# KiCad board reform2-motherboard.kicad_pcb (continued)
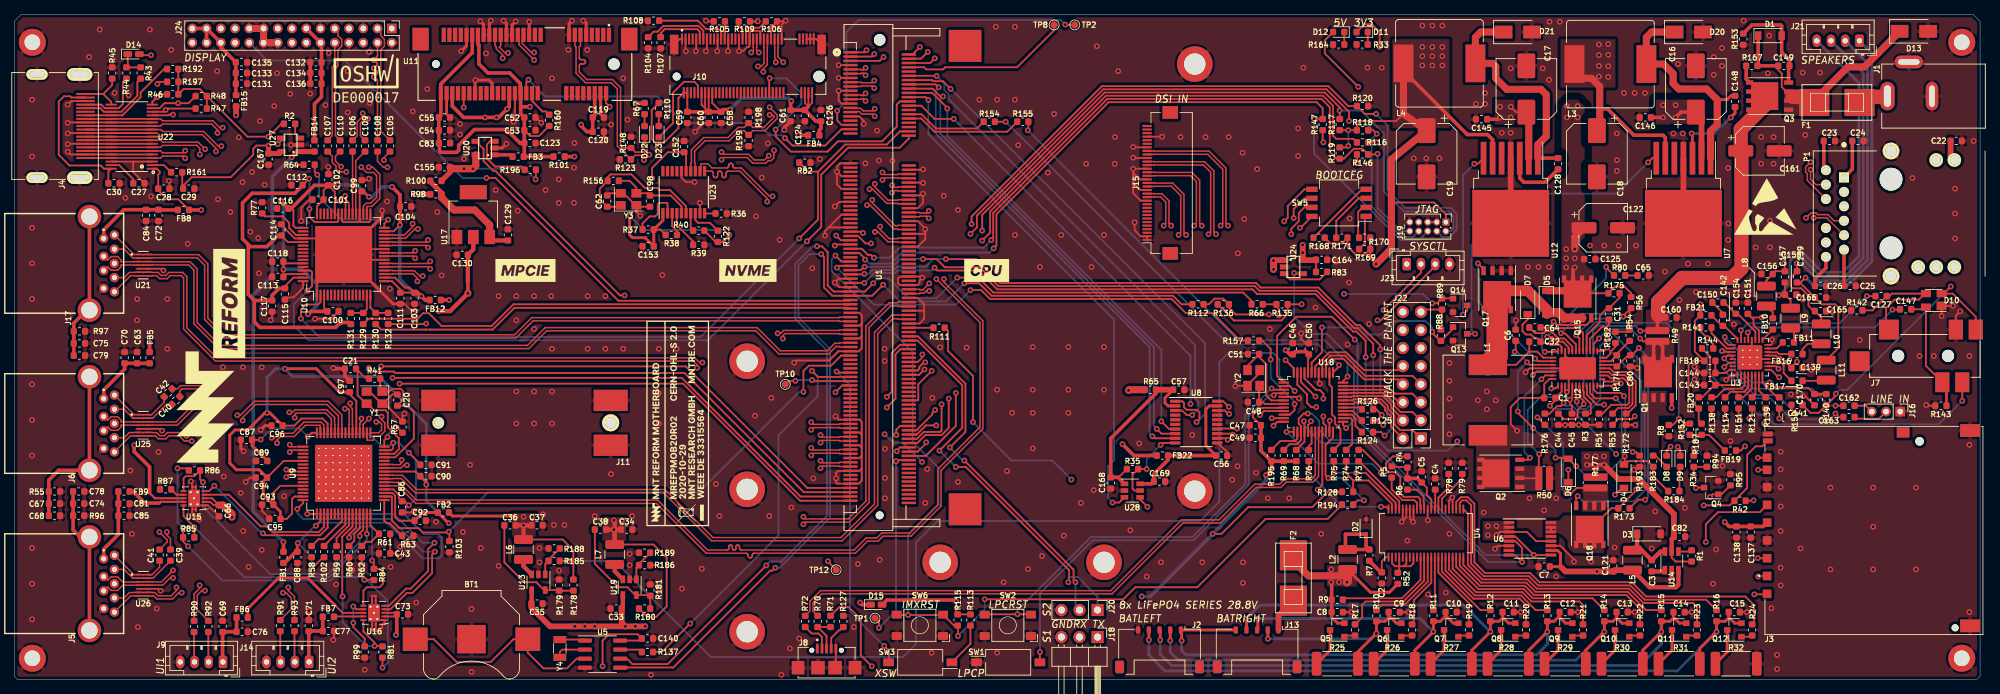
[diagram p0: board, top side]
## Routing (per net, layer and track width the routed paths; a pad name or vN(x,y) marks a point on that pad's centre or on a via; arc(x,y) is an arc through that point) (continued)
EDP_AUX_DN: length 14.1
  Top w0.2: C107.1 44.65,76.44 44.65,86.07 45,86.42 J24.10
EDP_AUX_DP: length 16.7
  Top w0.2: J24.9 45.45,91.05 45.45,90.49 45.98,89.97 45.98,89.03 45.45,88.51 45.45,86.23 45.1,85.88 45.1,76.44 C110.1
EDP_IRQ: length 113.6
  Top w0.25: v1(111.3,61.6) 113.3,63.6 113.3,70.96 117.09,74.75 124.32,74.75 125.6,76.03 U1.40 ; v1(41.15,54.65) 41.8,55.29 41.8,57.25 41.55,57.5 U10.61
  Bottom w0.25: v1(41.15,54.65) 39.25,52.74 39.25,49.75 41.3,47.7 97.4,47.7 v1(111.3,61.6)
EDP_RESETn: length 110.9
  Top w0.25: 112.85,71.39 116.66,75.2 122.5,75.2 124.35,77.05 U1.38 ; 112.85,71.39 112.85,64.65 v1(110.2,62) ; 112.85,71.39 111.47,71.39 R82.1 ; U10.2 43,53.05 42.68,52.73 40.98,52.73 40.25,52 v1(40.25,50.75)
  Bottom w0.25: v1(40.25,50.75) 42.85,48.15 96.35,48.15 v1(110.2,62)
EDP_SCL: length 71
  Top w0.25: R129.2 49.76,50.73 56.63,50.73 57.4,51.5 58.2,51.5 60,49.7 67.03,49.7 70.08,52.75 U1.107
EDP_SDA: length 68.3
  Top w0.25: R130.2 51.51,49.2 67.17,49.2 70.22,52.25 117.3,52.25 U1.109
EDP_TX0_DN: length 18.1
  Top w0.2: v1(48.93,79.57) 48.93,79.15 48.15,78.37 48.15,76.44 C106.1
  Signal.Cu w0.2: 48.92,79.58 v1(48.93,79.57) 48.42,80.08 48.42,81.88 48.43,81.92 48.44,81.96 48.47,82 48.5,82.03 48.54,82.06 48.58,82.07 48.62,82.08 48.91,82.08 49.05,82.09 49.18,82.14 49.29,82.21 49.39,82.31 49.46,82.42 49.51,82.55 49.52,82.69 49.52,82.76 49.51,82.9 49.46,83.03 49.39,83.14 49.29,83.24 49.18,83.31 49.05,83.36 48.91,83.37 47.53,83.37 47.48,83.38 47.44,83.39 47.4,83.42 47.37,83.45 47.35,83.49 47.33,83.53 47.33,83.57 47.33,83.62 47.35,83.66 47.37,83.7 47.4,83.73 47.44,83.76 47.48,83.77 47.53,83.77 47.81,83.77 47.95,83.79 48.08,83.84 48.19,83.91 48.29,84.01 48.36,84.12 48.41,84.25 48.42,84.39 48.42,88.92 J24.6
EDP_TX0_DP: length 22
  Top w0.2: C109.1 48.6,76.44 48.6,78.18 49.25,78.83 v1(49.67,78.83)
  Signal.Cu w0.2: J24.7 47,90.48 47.47,90.48 47.98,89.97 47.98,84.42 47.97,84.38 47.96,84.34 47.93,84.3 47.9,84.27 47.86,84.24 47.82,84.23 47.78,84.22 47.49,84.22 47.35,84.21 47.22,84.16 47.11,84.09 47.01,83.99 46.94,83.88 46.89,83.75 46.88,83.61 46.88,83.54 46.89,83.4 46.94,83.27 47.01,83.16 47.11,83.06 47.22,82.99 47.35,82.94 47.49,82.92 48.87,82.92 48.92,82.92 48.96,82.91 49,82.88 49.03,82.85 49.05,82.81 49.07,82.77 49.07,82.72 49.07,82.68 49.05,82.64 49.03,82.6 49,82.57 48.96,82.54 48.92,82.53 48.87,82.52 48.59,82.52 48.45,82.51 48.32,82.46 48.21,82.39 48.11,82.29 48.04,82.18 47.99,82.05 47.98,81.91 47.98,79.49 48.59,78.87 48.99,78.87 49.03,78.83 v1(49.67,78.83)
EDP_TX1_DN: length 16.9
  Top w0.2: J24.3 51.45,91.05 51.45,90.49 51.98,89.97 51.98,89.03 51.45,88.51 51.45,77.09 C105.1
EDP_TX1_DP: length 17
  Top w0.2: C108.1 51,84.1 50.99,84.17 50.97,84.23 50.93,84.29 50.89,84.33 50.83,84.37 50.77,84.39 50.7,84.4 50.49,84.4 50.43,84.41 50.36,84.43 50.31,84.47 50.26,84.51 50.22,84.57 50.2,84.63 50.19,84.7 50.2,84.77 50.22,84.83 50.26,84.89 50.31,84.93 50.36,84.97 50.43,84.99 50.49,85 50.7,85 50.77,85.01 50.83,85.03 50.89,85.07 50.93,85.11 50.97,85.17 50.99,85.23 51,85.3 50.99,85.37 50.97,85.43 50.93,85.49 50.89,85.53 50.83,85.57 50.77,85.59 50.7,85.6 50.49,85.6 50.43,85.61 50.36,85.63 50.31,85.67 50.26,85.71 50.22,85.77 50.2,85.83 50.19,85.9 50.2,85.97 50.22,86.03 50.26,86.09 50.31,86.13 50.36,86.17 50.43,86.19 50.49,86.2 50.7,86.2 50.77,86.21 50.83,86.23 50.89,86.27 50.93,86.31 50.97,86.37 50.99,86.43 51,86.5 50.99,86.57 50.97,86.63 50.93,86.69 50.89,86.73 50.83,86.77 50.77,86.79 50.7,86.8 50.49,86.8 50.43,86.81 50.36,86.83 50.31,86.87 50.26,86.91 50.22,86.97 50.2,87.03 50.19,87.1 50.2,87.17 50.22,87.23 50.26,87.29 50.31,87.33 50.36,87.37 50.43,87.39 50.49,87.4 50.7,87.4 50.77,87.41 50.83,87.43 50.89,87.47 50.93,87.51 50.97,87.57 50.99,87.63 51,87.7 J24.4
ETH0_A+: length 155
  Top w0.2: U1.29 118.22,79.75 118.3,79.83 118.66,79.83 119.01,79.47 120.5,79.47 v1(120.8,79.17)
  Signal.Cu w0.2: v1(120.8,79.17) 121.1,79.47 121.61,79.47 135.21,65.88 136.78,65.88 136.83,65.87 136.87,65.85 136.92,65.83 136.95,65.79 136.98,65.75 136.99,65.7 137,65.65 137,65.29 137.02,65.15 137.06,65.02 137.14,64.9 137.24,64.8 137.36,64.72 137.49,64.67 137.64,64.66 137.71,64.66 137.86,64.67 137.99,64.72 138.11,64.8 138.21,64.9 138.29,65.02 138.33,65.15 138.35,65.29 138.35,65.65 138.36,65.7 138.37,65.75 138.4,65.79 138.43,65.83 138.48,65.85 138.52,65.87 138.57,65.88 138.63,65.87 138.67,65.85 138.72,65.83 138.75,65.79 138.78,65.75 138.79,65.7 138.8,65.65 138.8,65.29 138.82,65.15 138.86,65.02 138.94,64.9 139.04,64.8 139.16,64.72 139.29,64.67 139.44,64.66 139.51,64.66 139.66,64.67 139.79,64.72 139.91,64.8 140.01,64.9 140.09,65.02 140.13,65.15 140.15,65.29 140.15,65.65 140.16,65.7 140.17,65.75 140.2,65.79 140.23,65.83 140.28,65.85 140.32,65.87 140.38,65.88 140.43,65.87 140.47,65.85 140.52,65.83 140.55,65.79 140.58,65.75 140.59,65.7 140.6,65.65 140.6,65.29 140.62,65.15 140.66,65.02 140.74,64.9 140.84,64.8 140.96,64.72 141.09,64.67 141.24,64.66 141.31,64.66 141.46,64.67 141.59,64.72 141.71,64.8 141.81,64.9 141.89,65.02 141.93,65.15 141.95,65.29 141.95,65.65 141.96,65.7 141.97,65.75 142,65.79 142.03,65.83 142.08,65.85 142.12,65.87 142.18,65.88 142.23,65.87 142.27,65.85 142.32,65.83 142.35,65.79 142.38,65.75 142.39,65.7 142.4,65.65 142.4,65.29 142.42,65.15 142.46,65.02 142.54,64.9 142.64,64.8 142.76,64.72 142.89,64.67 143.04,64.66 143.11,64.66 143.26,64.67 143.39,64.72 143.51,64.8 143.61,64.9 143.69,65.02 143.73,65.15 143.75,65.29 143.75,65.65 143.76,65.7 143.77,65.75 143.8,65.79 143.83,65.83 143.88,65.85 143.92,65.87 143.97,65.88 144.03,65.87 144.07,65.85 144.12,65.83 144.15,65.79 144.18,65.75 144.19,65.7 144.2,65.65 144.2,65.29 144.22,65.15 144.26,65.02 144.34,64.9 144.44,64.8 144.56,64.72 144.69,64.67 144.84,64.66 144.91,64.66 145.06,64.67 145.19,64.72 145.31,64.8 145.41,64.9 145.49,65.02 145.53,65.15 145.55,65.29 145.55,65.65 145.56,65.7 145.57,65.75 145.6,65.79 145.63,65.83 145.68,65.85 145.72,65.87 145.78,65.88 145.83,65.87 145.87,65.85 145.92,65.83 145.95,65.79 145.98,65.75 145.99,65.7 146,65.65 146,65.29 146.02,65.15 146.06,65.02 146.14,64.9 146.24,64.8 146.36,64.72 146.49,64.67 146.64,64.66 146.71,64.66 146.86,64.67 146.99,64.72 147.11,64.8 147.21,64.9 147.29,65.02 147.33,65.15 147.35,65.29 147.35,65.65 147.36,65.7 147.37,65.75 147.4,65.79 147.43,65.83 147.48,65.85 147.52,65.87 147.57,65.88 242.11,65.88 245.76,62.22 253.57,62.22 P1.11
ETH0_A-: length 155
  Top w0.2: U1.27 118.22,80.35 118.3,80.28 118.84,80.28 119.19,79.92 120.5,79.92 v1(120.8,80.22)
  Signal.Cu w0.2: P1.10 253.57,62.67 245.94,62.67 242.29,66.33 147.54,66.33 147.39,66.31 147.26,66.26 147.14,66.19 147.04,66.09 146.96,65.96 146.92,65.83 146.9,65.69 146.9,65.33 146.89,65.28 146.88,65.23 146.85,65.19 146.82,65.16 146.77,65.13 146.73,65.11 146.68,65.11 146.62,65.11 146.58,65.13 146.53,65.16 146.5,65.19 146.47,65.23 146.46,65.28 146.45,65.33 146.45,65.69 146.43,65.83 146.39,65.96 146.31,66.09 146.21,66.19 146.09,66.26 145.96,66.31 145.81,66.33 145.74,66.33 145.59,66.31 145.46,66.26 145.34,66.19 145.24,66.09 145.16,65.96 145.12,65.83 145.1,65.69 145.1,65.33 145.09,65.28 145.08,65.23 145.05,65.19 145.02,65.16 144.97,65.13 144.93,65.11 144.88,65.11 144.82,65.11 144.78,65.13 144.73,65.16 144.7,65.19 144.67,65.23 144.66,65.28 144.65,65.33 144.65,65.69 144.63,65.83 144.59,65.96 144.51,66.09 144.41,66.19 144.29,66.26 144.16,66.31 144.01,66.33 143.94,66.33 143.79,66.31 143.66,66.26 143.54,66.19 143.44,66.09 143.36,65.96 143.32,65.83 143.3,65.69 143.3,65.33 143.29,65.28 143.28,65.23 143.25,65.19 143.22,65.16 143.17,65.13 143.13,65.11 143.07,65.11 143.02,65.11 142.98,65.13 142.93,65.16 142.9,65.19 142.87,65.23 142.86,65.28 142.85,65.33 142.85,65.69 142.83,65.83 142.79,65.96 142.71,66.09 142.61,66.19 142.49,66.26 142.36,66.31 142.21,66.33 142.14,66.33 141.99,66.31 141.86,66.26 141.74,66.19 141.64,66.09 141.56,65.96 141.52,65.83 141.5,65.69 141.5,65.33 141.49,65.28 141.48,65.23 141.45,65.19 141.42,65.16 141.37,65.13 141.33,65.11 141.28,65.11 141.22,65.11 141.18,65.13 141.13,65.16 141.1,65.19 141.07,65.23 141.06,65.28 141.05,65.33 141.05,65.69 141.03,65.83 140.99,65.96 140.91,66.09 140.81,66.19 140.69,66.26 140.56,66.31 140.41,66.33 140.34,66.33 140.19,66.31 140.06,66.26 139.94,66.19 139.84,66.09 139.76,65.96 139.72,65.83 139.7,65.69 139.7,65.33 139.69,65.28 139.68,65.23 139.65,65.19 139.62,65.16 139.57,65.13 139.53,65.11 139.47,65.11 139.42,65.11 139.38,65.13 139.33,65.16 139.3,65.19 139.27,65.23 139.26,65.28 139.25,65.33 139.25,65.69 139.23,65.83 139.19,65.96 139.11,66.09 139.01,66.19 138.89,66.26 138.76,66.31 138.61,66.33 138.54,66.33 138.39,66.31 138.26,66.26 138.14,66.19 138.04,66.09 137.96,65.96 137.92,65.83 137.9,65.69 137.9,65.33 137.89,65.28 137.88,65.23 137.85,65.19 137.82,65.16 137.77,65.13 137.73,65.11 137.68,65.11 137.62,65.11 137.58,65.13 137.53,65.16 137.5,65.19 137.47,65.23 137.46,65.28 137.45,65.33 137.45,65.69 137.43,65.83 137.39,65.96 137.31,66.09 137.21,66.19 137.09,66.26 136.96,66.31 136.81,66.33 135.39,66.33 121.79,79.92 121.1,79.92 v1(120.8,80.22)
ETH0_B+: length 154.8
  Top w0.2: v1(251.57,64.9) 252.02,65.35 252.04,65.35 252.29,65.6 252.96,65.6 253.21,65.35 254.64,65.35 255.51,64.48 P1.4 ; v1(119.53,81.33) 119.23,81.62 118.98,81.62 118.9,81.55 U1.23
  Signal.Cu w0.2: v1(119.53,81.33) 119.83,81.62 121.46,81.62 135.91,67.17 243.41,67.17 243.45,67.17 243.49,67.16 243.53,67.13 243.56,67.1 243.59,67.06 243.6,67.02 243.61,66.97 243.61,66.67 243.62,66.53 243.67,66.4 243.74,66.29 243.84,66.19 243.95,66.12 244.08,66.07 244.22,66.06 244.29,66.06 244.43,66.07 244.56,66.12 244.68,66.19 244.77,66.29 244.85,66.4 244.89,66.53 244.91,66.67 244.91,66.97 244.91,67.02 244.93,67.06 244.95,67.1 244.98,67.13 245.02,67.16 245.06,67.17 245.11,67.17 245.01,67.17 245.05,67.17 245.09,67.16 245.13,67.13 245.16,67.1 245.19,67.06 245.2,67.02 245.21,66.97 245.21,66.67 245.22,66.53 245.27,66.4 245.34,66.29 245.44,66.19 245.55,66.12 245.68,66.07 245.82,66.06 245.89,66.06 246.03,66.07 246.16,66.12 246.28,66.19 246.37,66.29 246.45,66.4 246.49,66.53 246.51,66.67 246.51,66.97 246.51,67.02 246.53,67.06 246.55,67.1 246.58,67.13 246.62,67.16 246.66,67.17 246.71,67.17 246.61,67.17 246.65,67.17 246.69,67.16 246.73,67.13 246.76,67.1 246.79,67.06 246.8,67.02 246.81,66.97 246.81,66.67 246.82,66.53 246.87,66.4 246.94,66.29 247.04,66.19 247.15,66.12 247.28,66.07 247.42,66.06 247.49,66.06 247.63,66.07 247.76,66.12 247.88,66.19 247.97,66.29 248.05,66.4 248.09,66.53 248.11,66.67 248.11,66.97 248.11,67.02 248.13,67.06 248.15,67.1 248.18,67.13 248.22,67.16 248.26,67.17 248.31,67.17 248.21,67.17 248.25,67.17 248.29,67.16 248.33,67.13 248.36,67.1 248.39,67.06 248.4,67.02 248.41,66.97 248.41,66.67 248.42,66.53 248.47,66.4 248.54,66.29 248.64,66.19 248.75,66.12 248.88,66.07 249.02,66.06 249.09,66.06 249.23,66.07 249.36,66.12 249.48,66.19 249.57,66.29 249.65,66.4 249.69,66.53 249.71,66.67 249.71,66.97 249.71,67.02 249.73,67.06 249.75,67.1 249.78,67.13 249.82,67.16 249.86,67.17 249.91,67.17 251.88,65.21 251.88,65.2 v1(251.57,64.9)
ETH0_B-: length 155
  Top w0.2: P1.5 254.45,64.9 v1(252.62,64.9) ; v1(119.53,82.38) 119.23,82.08 118.98,82.08 118.9,82.15 U1.21
  Signal.Cu w0.2: v1(119.53,82.38) 119.83,82.08 121.64,82.08 136.09,67.62 243.44,67.63 243.58,67.61 243.71,67.56 243.83,67.49 243.92,67.39 244,67.28 244.04,67.15 244.06,67.01 244.06,66.71 244.06,66.66 244.08,66.62 244.1,66.58 244.13,66.55 244.17,66.53 244.21,66.51 244.26,66.51 244.3,66.51 244.34,66.53 244.38,66.55 244.41,66.58 244.44,66.62 244.45,66.66 244.46,66.71 244.46,67.01 244.47,67.15 244.52,67.28 244.59,67.39 244.69,67.49 244.8,67.56 244.93,67.61 245.07,67.63 245.04,67.63 245.18,67.61 245.31,67.56 245.43,67.49 245.52,67.39 245.6,67.28 245.64,67.15 245.66,67.01 245.66,66.71 245.66,66.66 245.68,66.62 245.7,66.58 245.73,66.55 245.77,66.53 245.81,66.51 245.86,66.51 245.9,66.51 245.94,66.53 245.98,66.55 246.01,66.58 246.04,66.62 246.05,66.66 246.06,66.71 246.06,67.01 246.07,67.15 246.12,67.28 246.19,67.39 246.29,67.49 246.4,67.56 246.53,67.61 246.67,67.63 246.64,67.63 246.78,67.61 246.91,67.56 247.03,67.49 247.12,67.39 247.2,67.28 247.24,67.15 247.26,67.01 247.26,66.71 247.26,66.66 247.28,66.62 247.3,66.58 247.33,66.55 247.37,66.53 247.41,66.51 247.46,66.51 247.5,66.51 247.54,66.53 247.58,66.55 247.61,66.58 247.64,66.62 247.65,66.66 247.66,66.71 247.66,67.01 247.67,67.15 247.72,67.28 247.79,67.39 247.89,67.49 248,67.56 248.13,67.61 248.27,67.63 248.24,67.63 248.38,67.61 248.51,67.56 248.63,67.49 248.72,67.39 248.8,67.28 248.84,67.15 248.86,67.01 248.86,66.71 248.86,66.66 248.88,66.62 248.9,66.58 248.93,66.55 248.97,66.53 249.01,66.51 249.06,66.51 249.1,66.51 249.14,66.53 249.18,66.55 249.21,66.58 249.24,66.62 249.25,66.66 249.26,66.71 249.26,67.01 249.27,67.15 249.32,67.28 249.39,67.39 249.49,67.49 249.6,67.56 249.73,67.61 249.87,67.63 250.09,67.62 251.01,66.71 251.06,66.67 251.12,66.64 251.19,66.62 251.26,66.62 251.32,66.64 251.38,66.67 251.43,66.71 251.44,66.71 251.49,66.75 251.55,66.78 251.62,66.8 251.69,66.8 251.75,66.78 251.81,66.75 251.86,66.71 251.91,66.66 251.93,66.6 251.95,66.53 251.95,66.47 251.93,66.4 251.91,66.34 251.86,66.29 251.86,66.28 251.82,66.23 251.79,66.17 251.77,66.1 251.77,66.04 251.79,65.97 251.82,65.91 251.86,65.86 252.32,65.39 252.32,65.2 v1(252.62,64.9)
ETH0_C+: length 155.3
  Top w0.2: v1(120.75,83.12) 120.45,83.42 118.98,83.42 118.9,83.35 U1.17
  Signal.Cu w0.2: P1.3 256.11,67.31 255.61,67.31 254.84,66.54 253.88,66.54 253.11,67.31 251.88,67.31 250.51,68.67 136.71,68.67 130.15,75.23 130.09,75.31 130.05,75.39 130.03,75.48 130.03,75.57 130.05,75.66 130.09,75.74 130.15,75.81 130.32,75.99 129.95,76.36 129.64,76.06 129.65,76.05 129.33,75.72 129.26,75.66 129.17,75.62 129.08,75.6 128.99,75.6 128.9,75.62 128.82,75.66 128.75,75.72 128.34,76.13 128.28,76.2 128.24,76.29 128.22,76.38 128.22,76.47 128.24,76.56 128.28,76.64 128.34,76.71 128.97,77.34 128.6,77.72 128.29,77.41 128.31,77.39 127.98,77.06 127.91,77.01 127.83,76.97 127.74,76.95 127.65,76.95 127.56,76.97 127.48,77.01 127.4,77.06 126.99,77.47 126.94,77.55 126.9,77.63 126.88,77.72 126.88,77.81 126.9,77.9 126.94,77.98 126.99,78.05 127.63,78.69 127.25,79.06 126.95,78.75 126.97,78.73 126.64,78.41 126.57,78.35 126.49,78.31 126.4,78.29 126.3,78.29 126.22,78.31 126.13,78.35 126.06,78.41 125.65,78.82 125.59,78.89 125.55,78.97 125.53,79.06 125.53,79.15 125.55,79.24 125.59,79.33 125.65,79.4 126.28,80.03 125.91,80.41 125.73,80.23 125.66,80.17 125.58,80.13 125.49,80.11 125.4,80.11 125.31,80.13 125.22,80.17 125.15,80.23 121.96,83.42 121.05,83.42 v1(120.75,83.12)
ETH0_C-: length 155.4
  Top w0.2: U1.15 118.9,83.95 118.98,83.88 120.45,83.88 v1(120.75,84.17)
  Signal.Cu w0.2: P1.2 256.11,67.75 255.62,67.75 254.84,68.53 253.88,68.53 253.1,67.75 252.06,67.75 250.69,69.12 136.89,69.12 130.48,75.53 130.66,75.71 130.72,75.78 130.76,75.87 130.78,75.96 130.78,76.05 130.76,76.14 130.72,76.22 130.66,76.29 130.25,76.7 130.18,76.76 130.1,76.8 130.01,76.82 129.92,76.82 129.83,76.8 129.74,76.76 129.67,76.7 129.03,76.06 128.65,76.43 128.96,76.74 128.98,76.72 129.31,77.04 129.36,77.12 129.4,77.2 129.42,77.29 129.42,77.38 129.4,77.47 129.36,77.55 129.31,77.62 128.9,78.03 128.83,78.09 128.74,78.13 128.65,78.15 128.56,78.15 128.47,78.13 128.39,78.09 128.32,78.03 127.68,77.4 127.31,77.78 127.62,78.08 127.64,78.06 127.96,78.39 128.02,78.46 128.06,78.54 128.08,78.63 128.08,78.72 128.06,78.81 128.02,78.9 127.96,78.97 127.55,79.38 127.48,79.43 127.4,79.47 127.31,79.5 127.22,79.5 127.13,79.47 127.05,79.43 126.97,79.38 126.34,78.74 125.97,79.12 126.27,79.43 126.29,79.41 126.28,79.4 126.62,79.73 126.68,79.8 126.72,79.89 126.74,79.98 126.74,80.07 126.72,80.16 126.68,80.24 126.62,80.31 126.21,80.72 126.14,80.78 126.06,80.82 125.97,80.84 125.87,80.84 125.78,80.82 125.7,80.78 125.63,80.72 125.45,80.54 122.14,83.88 121.05,83.88 v1(120.75,84.17)
ETH0_D+: length 155
  Top w0.2: P1.8 252.97,69.56 252.2,70.33 v1(252.2,71.67) ; U1.11 118.9,85.15 118.98,85.22 119.22,85.22 v1(119.52,84.92)
  Signal.Cu w0.2: v1(119.52,84.92) 119.82,85.22 122.66,85.22 134.39,73.49 134.43,73.44 134.46,73.38 134.48,73.31 134.48,73.25 134.46,73.18 134.43,73.12 134.39,73.07 134.3,72.97 134.25,72.92 134.23,72.86 134.21,72.79 134.21,72.73 134.23,72.66 134.25,72.6 134.3,72.55 134.35,72.51 134.41,72.48 134.48,72.46 134.54,72.46 134.61,72.48 134.67,72.51 134.72,72.55 134.82,72.64 134.87,72.68 134.93,72.71 134.99,72.73 135.06,72.73 135.13,72.71 135.19,72.68 135.24,72.64 135.28,72.59 135.31,72.53 135.33,72.46 135.33,72.4 135.31,72.33 135.28,72.27 135.24,72.22 135.15,72.12 135.1,72.07 135.07,72.01 135.06,71.95 135.06,71.88 135.07,71.81 135.1,71.75 135.15,71.7 135.2,71.66 135.26,71.63 135.32,71.61 135.39,71.61 135.46,71.63 135.52,71.66 135.57,71.7 135.66,71.79 135.72,71.84 135.78,71.86 135.84,71.88 135.91,71.88 135.97,71.86 136.04,71.84 136.09,71.79 136.13,71.74 136.16,71.68 136.17,71.62 136.17,71.55 136.16,71.48 136.13,71.42 136.09,71.37 135.99,71.28 135.95,71.22 135.92,71.16 135.91,71.1 135.91,71.03 135.92,70.96 135.95,70.9 135.99,70.85 136.05,70.81 136.11,70.78 136.17,70.76 136.24,70.76 136.3,70.78 136.37,70.81 136.42,70.85 136.51,70.95 136.56,70.99 136.63,71.02 136.69,71.03 136.76,71.03 136.82,71.02 136.88,70.99 136.94,70.95 137.91,69.97 241.76,69.97 241.9,69.99 242.03,70.04 242.14,70.11 242.24,70.21 242.31,70.32 242.36,70.45 242.38,70.59 242.38,70.87 242.38,70.92 242.39,70.96 242.42,71 242.45,71.03 242.49,71.05 242.53,71.07 242.57,71.07 242.62,71.07 242.66,71.05 242.7,71.03 242.73,71 242.76,70.96 242.77,70.92 242.77,70.87 242.77,70.59 242.79,70.45 242.84,70.32 242.91,70.21 243.01,70.11 243.12,70.04 243.25,69.99 243.39,69.97 243.46,69.97 243.6,69.99 243.73,70.04 243.84,70.11 243.94,70.21 244.01,70.32 244.06,70.45 244.07,70.59 244.07,70.87 244.08,70.92 244.09,70.96 244.12,71 244.15,71.03 244.19,71.05 244.23,71.07 244.27,71.07 244.32,71.07 244.36,71.05 244.4,71.03 244.43,71 244.46,70.96 244.47,70.92 244.48,70.87 244.48,70.59 244.49,70.45 244.54,70.32 244.61,70.21 244.71,70.11 244.82,70.04 244.95,69.99 245.09,69.97 245.16,69.97 245.3,69.99 245.43,70.04 245.54,70.11 245.64,70.21 245.71,70.32 245.76,70.45 245.77,70.59 245.77,70.87 245.78,70.92 245.79,70.96 245.82,71 245.85,71.03 245.89,71.05 245.93,71.07 245.98,71.07 246.02,71.07 246.06,71.05 246.1,71.03 246.13,71 246.16,70.96 246.17,70.92 246.18,70.87 246.18,70.59 246.19,70.45 246.24,70.32 246.31,70.21 246.41,70.11 246.52,70.04 246.65,69.99 246.79,69.97 246.86,69.97 247,69.99 247.13,70.04 247.24,70.11 247.34,70.21 247.41,70.32 247.46,70.45 247.48,70.59 247.48,70.87 247.48,70.92 247.49,70.96 247.52,71 247.55,71.03 247.59,71.05 247.63,71.07 247.68,71.07 247.72,71.07 247.76,71.05 247.8,71.03 247.83,71 247.86,70.96 247.87,70.92 247.88,70.87 247.88,70.59 247.89,70.45 247.94,70.32 248.01,70.21 248.11,70.11 248.22,70.04 248.35,69.99 248.49,69.97 249.59,69.97 251.59,71.97 251.9,71.97 v1(252.2,71.67)
ETH0_D-: length 155
  Top w0.2: v1(119.52,85.97) 119.22,85.67 118.98,85.67 118.9,85.75 U1.9 ; v1(252.2,72.72) 251.75,72.28 251.75,72.26 251.5,72.01 251.5,71.34 251.75,71.09 251.75,70.15 P1.9
  Signal.Cu w0.2: v1(252.2,72.72) 251.9,72.42 251.41,72.42 249.41,70.42 248.52,70.42 248.48,70.43 248.44,70.44 248.4,70.47 248.37,70.5 248.34,70.54 248.33,70.58 248.32,70.62 248.32,70.91 248.31,71.05 248.26,71.18 248.19,71.29 248.09,71.39 247.98,71.46 247.85,71.51 247.71,71.52 247.64,71.52 247.5,71.51 247.37,71.46 247.26,71.39 247.16,71.29 247.09,71.18 247.04,71.05 247.02,70.91 247.02,70.62 247.02,70.58 247.01,70.54 246.98,70.5 246.95,70.47 246.91,70.44 246.87,70.43 246.82,70.42 246.78,70.43 246.74,70.44 246.7,70.47 246.67,70.5 246.64,70.54 246.63,70.58 246.62,70.62 246.62,70.91 246.61,71.05 246.56,71.18 246.49,71.29 246.39,71.39 246.28,71.46 246.15,71.51 246.01,71.52 245.94,71.52 245.8,71.51 245.67,71.46 245.56,71.39 245.46,71.29 245.39,71.18 245.34,71.05 245.32,70.91 245.32,70.62 245.32,70.58 245.31,70.54 245.28,70.5 245.25,70.47 245.21,70.44 245.17,70.43 245.12,70.42 245.08,70.43 245.04,70.44 245,70.47 244.97,70.5 244.94,70.54 244.93,70.58 244.93,70.62 244.93,70.91 244.91,71.05 244.86,71.18 244.79,71.29 244.69,71.39 244.58,71.46 244.45,71.51 244.31,71.52 244.24,71.52 244.1,71.51 243.97,71.46 243.86,71.39 243.76,71.29 243.69,71.18 243.64,71.05 243.62,70.91 243.62,70.62 243.62,70.58 243.61,70.54 243.58,70.5 243.55,70.47 243.51,70.44 243.47,70.43 243.43,70.42 243.38,70.43 243.34,70.44 243.3,70.47 243.27,70.5 243.24,70.54 243.23,70.58 243.23,70.62 243.23,70.91 243.21,71.05 243.16,71.18 243.09,71.29 242.99,71.39 242.88,71.46 242.75,71.51 242.61,71.52 242.54,71.52 242.4,71.51 242.27,71.46 242.16,71.39 242.06,71.29 241.99,71.18 241.94,71.05 241.93,70.91 241.93,70.62 241.92,70.58 241.91,70.54 241.88,70.5 241.85,70.47 241.81,70.44 241.77,70.43 241.73,70.42 138.09,70.42 122.84,85.67 119.82,85.67 v1(119.52,85.97)
ETH0_LED_LINK1: length 108.4
  Top w0.25: U1.83 118.65,59.95 119.46,59.14 v1(119.46,59.02) ; v1(137.5,60.6) 137.9,61 137.9,65.4 153.65,81.15 182.85,81.15 183.7,80.3 R147.2 183.69,78.8 v1(182.5,78.8)
  Bottom w0.25: v1(137.5,60.6) 136.9,60 124.65,60 123.12,58.47 120.01,58.47 v1(119.46,59.02) ; v1(182.5,78.8) 182.5,73.93 194.67,61.75 197.18,61.75 J19.6
ETH0_LED_LINK2: length 107.4
  Top w0.25: v1(120.7,59.3) 120.3,59.7 119.85,59.7 119,60.55 U1.81 ; v1(137.17,61.78) 137.45,62.05 137.45,65.59 153.46,81.6 183.54,81.6 184.7,80.44 184.7,74.14 185.62,73.21 R119.2 186.68,73.21 188.07,74.6 189.29,74.6 R146.2 191.3,73.8 v1(191.4,73.9)
  Bottom w0.25: v1(120.7,59.3) 122.9,59.3 124.3,60.7 136.1,60.7 v1(137.17,61.78) ; J19.10 194.67,63.03 191.4,66.3 v1(191.4,73.9)
ETH0_LED_RX: length 92
  Top w0.25: R116.2 188.01,76 185.6,76 185.15,76.45 185.15,80.65 183.75,82.05 153.28,82.05 137,65.77 137,62.8 v1(135.9,61.7) ; v1(115.2,61) 115.35,61.15 U1.79
  Signal.Cu w0.25: v1(135.9,61.7) 134.3,60.1 116.1,60.1 v1(115.2,61)
HDMI_CEC: length 140.1
  Top w0.25: v1(20.1,83.7) 20.4,84 R197.1 ; U1.197 110.39,25.75 93.72,42.41 v1(53.12,42.41) ; U22.16 21.63,79.3 21.73,79.4 v1(22.3,79.4)
  Signal.Cu w0.25: v1(53.12,42.41) 49.89,42.41 43.55,48.75 40.79,48.75 17.05,72.49 17.05,77.35 20.7,81 21.2,81 ; 21.2,81 21.2,82.6 v1(20.1,83.7) ; 21.2,81 21.6,81 22.3,80.3 v1(22.3,79.4)
HDMI_CLK+: length 125.7
  Top w0.2: U1.165 115.9,35.35 115.82,35.42 112.2,35.42 v1(111.9,35.12) ; U22.13 20.55,77.8 20.83,78.08 27.71,78.08 28.53,77.25 v1(28.53,76.83)
  Top w0.25: J4.10 U22.26 U22.13
  Signal.Cu w0.2: v1(111.9,35.12) 111.6,35.42 98.56,35.42 95.41,38.58 67.21,38.58 28.95,76.83 v1(28.53,76.83)
HDMI_CLK-: length 125.7
  Top w0.2: U22.15 20.55,78.8 20.83,78.53 27.89,78.53 28.85,77.57 v1(29.27,77.57) ; U1.163 115.9,35.95 115.82,35.88 112.2,35.88 v1(111.9,36.17)
  Top w0.25: J4.12 U22.24 U22.15
  Signal.Cu w0.2: v1(29.27,77.57) 29.27,77.15 67.39,39.03 95.59,39.03 98.74,35.88 111.6,35.88 v1(111.9,36.17)
HDMI_D0+: length 125.8
  Top w0.2: U1.171 115.9,33.55 115.82,33.62 113.5,33.62 v1(113.2,33.33) ; U22.29 U22.10 20.55,76.3 20.83,76.58 26.41,76.58 28.33,74.65 v1(28.33,74.23)
  Top w0.25: U22.29 J4.7
  Signal.Cu w0.2: v1(113.2,33.33) 112.9,33.62 69.36,33.62 28.75,74.23 v1(28.33,74.23)
HDMI_D0-: length 125.8
  Top w0.2: U22.12 20.55,77.3 20.83,77.03 26.59,77.03 28.65,74.97 v1(29.07,74.97) ; v1(113.2,34.38) 113.5,34.08 115.82,34.08 115.9,34.15 U1.169
  Top w0.25: J4.9 U22.27 U22.12
  Signal.Cu w0.2: v1(29.07,74.97) 29.07,74.55 69.54,34.08 112.9,34.08 v1(113.2,34.38)
HDMI_D1+: length 126.7
  Top w0.2: U22.32 U22.7 20.55,74.8 20.83,75.08 25.63,75.08 26.05,74.65 v1(26.05,73.8) ; U1.177 115.9,31.75 115.82,31.83 112.2,31.83 v1(111.9,31.53)
  Top w0.25: U22.32 J4.4
  Signal.Cu w0.2: v1(26.05,73.8) 26.48,73.8 68.46,31.83 98.89,31.83 99.44,32.38 105.71,32.38 106.26,31.83 111.6,31.83 v1(111.9,31.53)
HDMI_D1-: length 126.4
  Top w0.2: U22.9 20.55,75.8 20.83,75.53 25.82,75.53 v1(26.8,74.55) ; v1(111.9,32.58) 112.2,32.28 115.82,32.28 115.9,32.35 U1.175
  Top w0.25: J4.6 U22.30 U22.9
  Signal.Cu w0.2: v1(26.8,74.55) 26.8,74.12 68.64,32.28 98.71,32.28 99.26,32.83 105.89,32.83 106.44,32.28 111.6,32.28 v1(111.9,32.58)
HDMI_D2+: length 126.5
  Top w0.2: v1(113.2,29.72) 113.5,30.03 115.82,30.03 115.9,29.95 U1.183 ; v1(24,73.28) 23.7,73.58 20.83,73.58 20.55,73.3 U22.4 U22.35
  Top w0.25: U22.35 J4.1
  Signal.Cu w0.2: v1(113.2,29.72) 112.9,30.03 105.56,30.03 104.76,30.83 100.54,30.83 99.74,30.03 67.66,30.03 24.41,73.28 v1(24,73.28)
HDMI_D2-: length 126.7
  Top w0.2: v1(24,74.33) 23.7,74.03 20.83,74.03 20.55,74.3 U22.6 ; v1(113.2,30.78) 113.5,30.47 115.82,30.47 115.9,30.55 U1.181
  Top w0.25: U22.6 U22.33 J4.3
  Signal.Cu w0.2: v1(113.2,30.78) 112.9,30.47 105.74,30.47 104.94,31.28 100.36,31.28 99.56,30.47 67.85,30.47 v1(24,74.33)
HDMI_HPD: length 134.2
  Top w0.25: R46.1 20.45,82.25 v1(20.05,81.85) 19.38,81.18 U22.19 ; U1.199 110.35,25.15 93.9,41.6 v1(54.1,41.6)
  Signal.Cu w0.25: v1(54.1,41.6) 50,41.6 43.3,48.3 40.6,48.3 16.6,72.3 16.6,78.4 v1(20.05,81.85)
HDMI_SCL: length 129.4
  Top w0.25: U22.17 21.01,79.8 v1(21.26,80.05) 21.46,80.25 R47.1 ; v1(49.79,43.79) 50.27,43.3 53.31,43.3 53.51,43.1 94.1,43.1 110.85,26.35 U1.195
  Signal.Cu w0.25: v1(21.26,80.05) 21.26,72.36 41.11,52.5 41.46,52.5 49.39,44.58 49.39,44.19 v1(49.79,43.79)
HDMI_SDA: length 129.3
  Top w0.25: U1.193 111.35,26.95 94.27,44.03 v1(51.5,44.03) ; R48.1 24.46,81 v1(23,81) 21.11,81 20.41,80.3 U22.18
  Signal.Cu w0.25: v1(23,81) 23,80.43 23.1,80.33 23.1,71.15 41.3,52.95 41.65,52.95 50.57,44.03 v1(51.5,44.03)
IMX_JTAG_TCK: length 113.4
  Top w0.25: U1.73 118.99,62.95 v1(119.17,62.77) ; v1(134.41,64.02) 134.41,65.09 152.72,83.4 184.5,83.4 187.3,80.6 R120.1 189.61,79.5 v1(191.2,79.5)
  Signal.Cu w0.25: v1(119.17,62.77) 119.74,62.2 132.58,62.2 v1(134.41,64.02)
  Bottom w0.25: J19.4 200.56,62.2 201.52,62.2 202.5,63.19 202.5,65.5 201.7,66.3 195.3,66.3 192.8,68.8 192.8,77.9 v1(191.2,79.5)
IMX_JTAG_TDI: length 108.3
  Top w0.25: v1(134.26,62.65) 135.15,63.55 135.15,65.2 152.9,82.95 184.25,82.95 187.4,79.8 v1(187.4,78.5) ; v1(120.3,61.3) 119.52,61.3 118.47,62.35 U1.75 ; R118.2 190.8,77.2 v1(191.3,76.7)
  Signal.Cu w0.25: v1(134.26,62.65) 132.9,61.3 v1(120.3,61.3)